# KiCad board panel.kicad_pcb (continued)
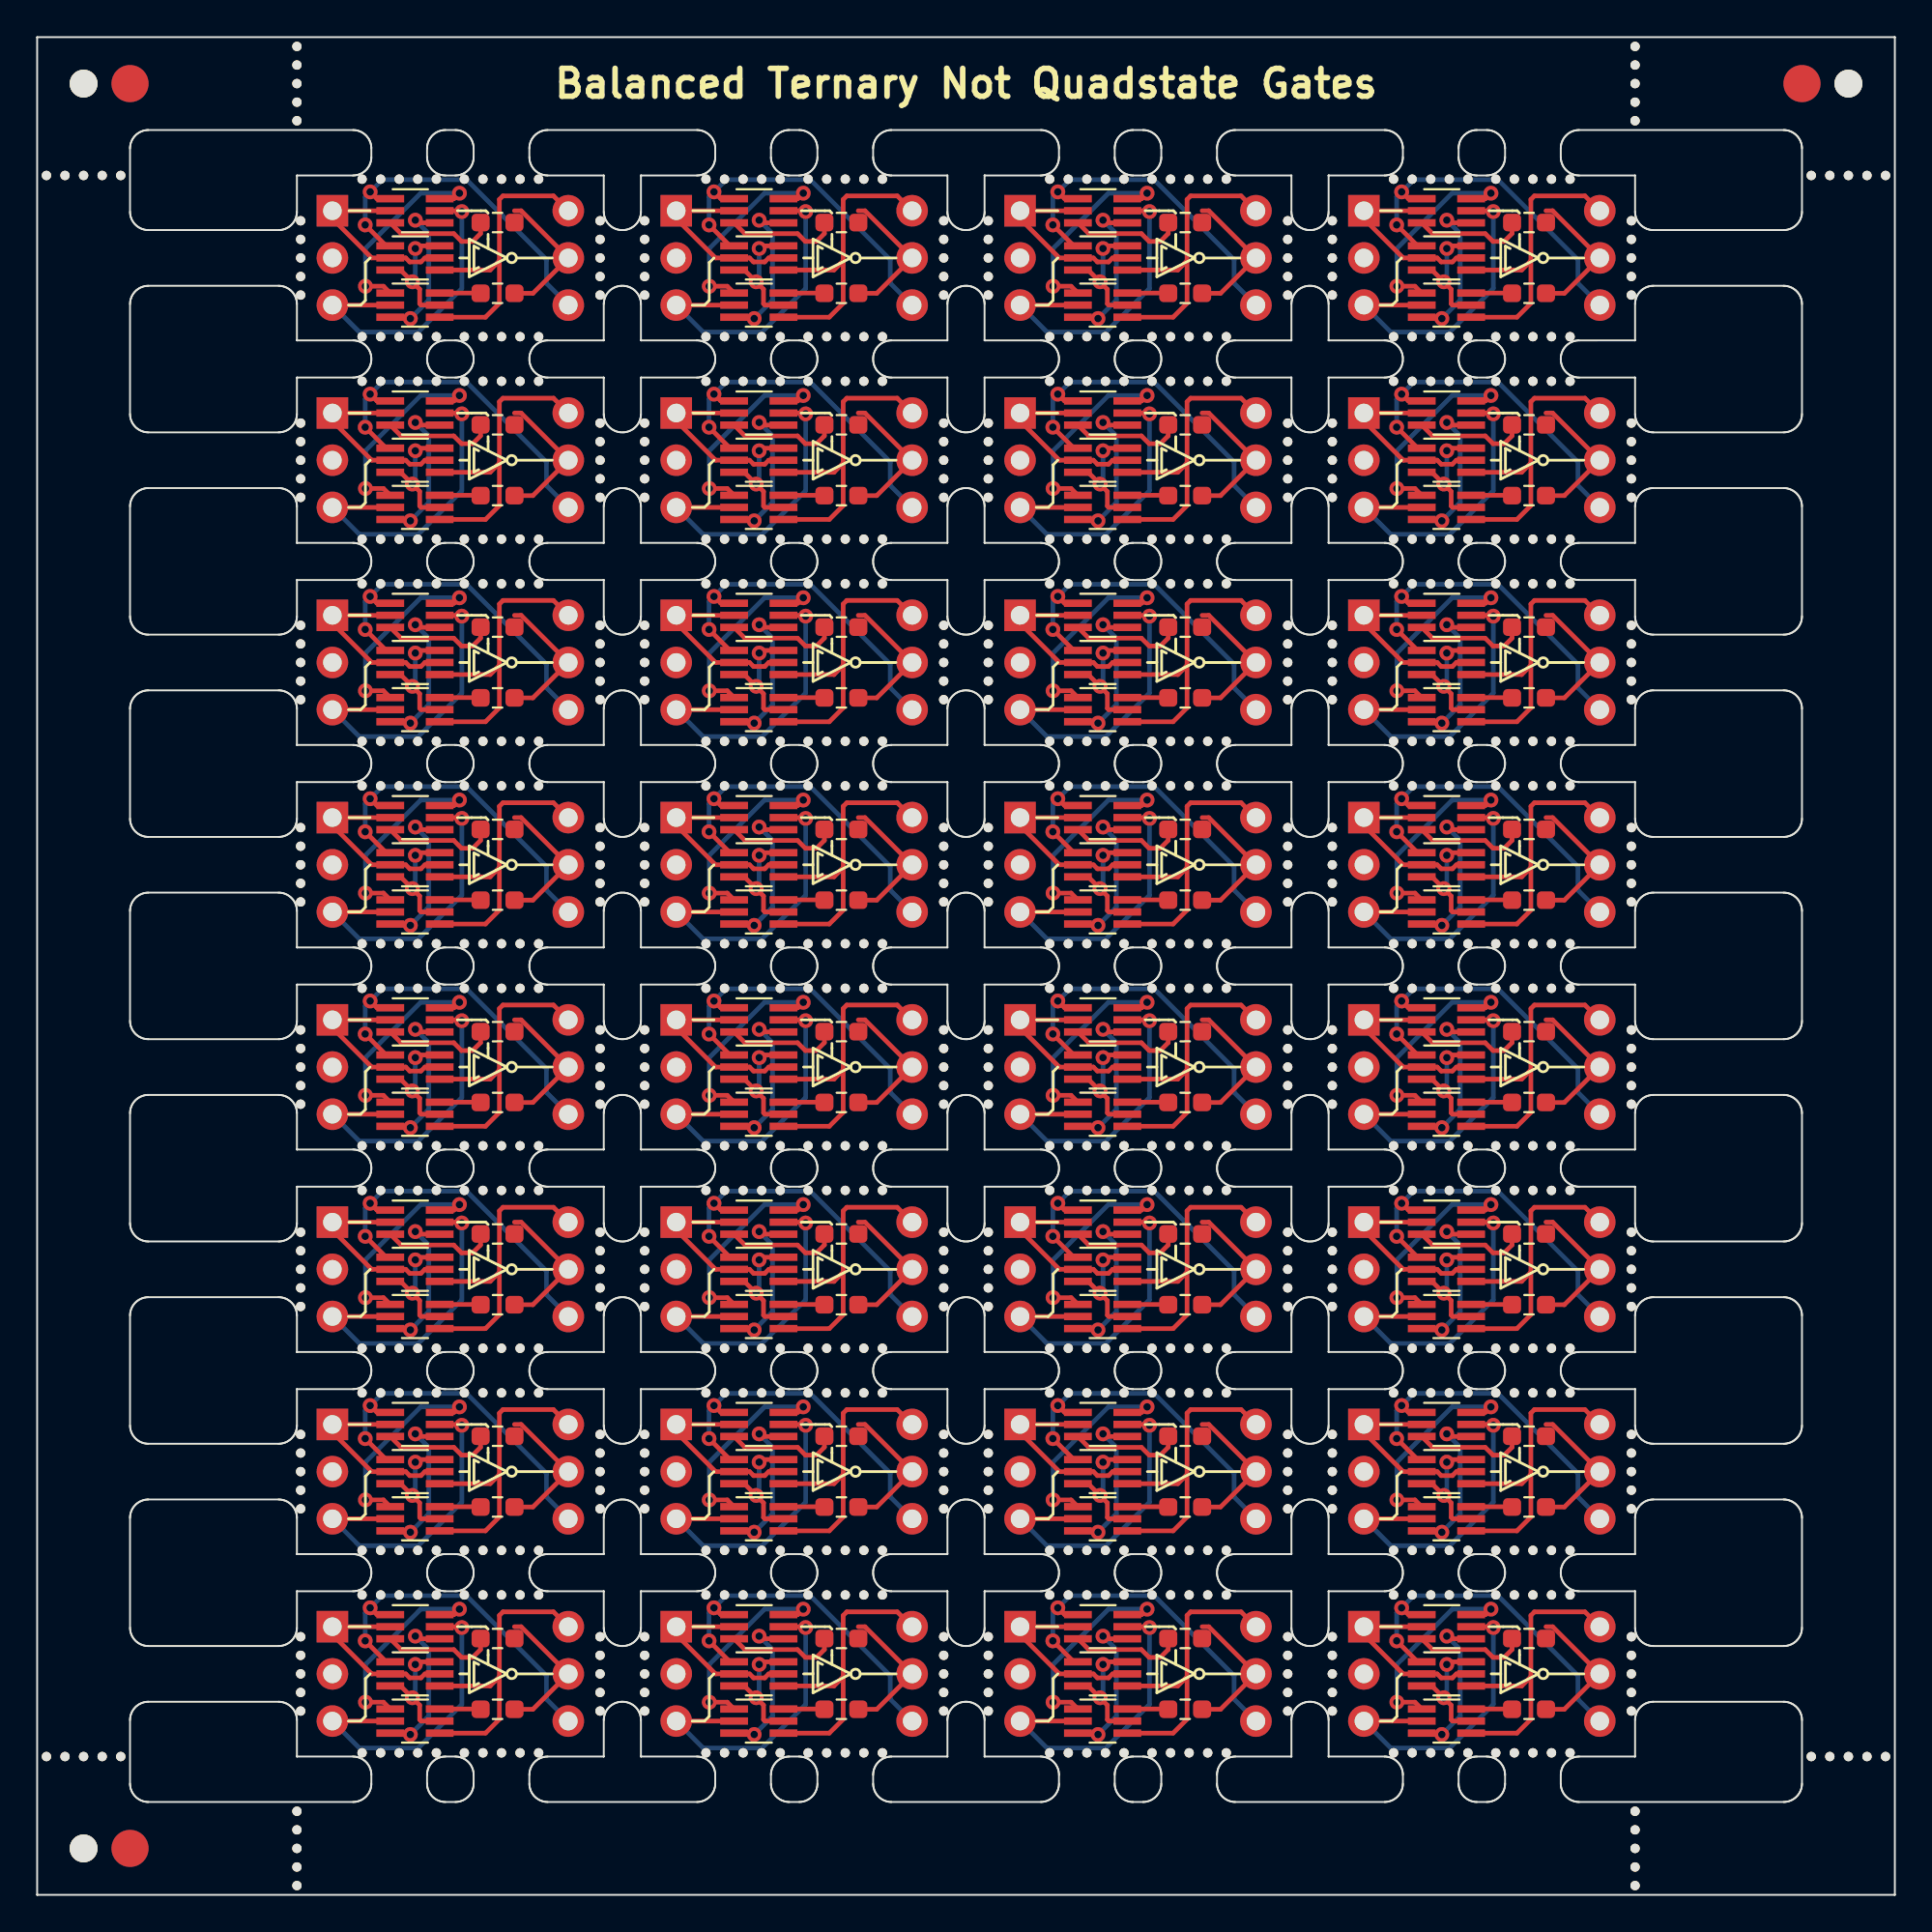
[diagram p0: board, top side]
## Routing (per net, layer and track width the routed paths; a pad name or vN(x,y) marks a point on that pad's centre or on a via; arc(x,y) is an arc through that point) (continued)
Board_17-Net-(Q3-Pad3): length 6
  Top w0.25: R1#24.1 42.38,45.88 41.96,45.45 41.36,45.45 40.94,45.87 38.1,45.87 Q3#6.3
Board_17-Out: length 7.6
  Top w0.25: 44.21,47.11 44.56,47.11 J2#31.2 45.2,42.66 R2#16.1
Board_17-VDD: length 16.7
  Top w0.25: 43.4,44.41 43.4,42.13 42.65,41.38 Q2#31.4 ; 43.4,44.41 42.9,43.92 Q1#31.4 ; 43.4,44.41 43.4,47.71 43.59,47.91 46.3,47.91 J2#31.1
Board_17-VSS: length 19.4
  Top w0.25: v1(36.17,46.34) 37.3,45.22 Q1#31.1 ; v1(36.44,48.12) 36.8,47.76 Q3#6.1
  Bottom w0.25: J2#31.3 45.93,43.2 45.93,44.47 41.63,48.78 37.09,48.78 v1(36.44,48.12) 36.17,47.86 v1(36.17,46.34)
Board_18-Gate: length 10.4
  Top w0.25: Q1#27.5 57.9,44.57 57.68,44.35 57.08,44.35 56.86,44.57 Q1#27.2 55.03,44.57 52.92,46.68 J1#30.1 Q3.2
Board_18-In: length 17
  Top w0.25: v1(59.88,47.06) 59.84,47.11 Q3.5 ; Q2#18.2 J1#30.3
  Bottom w0.25: v1(59.88,47.06) 59.88,42.92 57.54,40.58 54.36,40.58 J1#30.3
Board_18-Net-(Q1-Pad3): length 7.1
  Top w0.25: Q2#18.5 57.69,42.03 57.61,42.1 57.61,42.88 56.58,43.92 Q1#27.3 ; Q1#27.6 57.52,45.22 v1(57.38,45.07)
  Bottom w0.25: v1(57.38,45.07) 57.38,43.44 v1(57.22,43.28)
Board_18-Net-(Q2-Pad1): length 11
  Top w0.25: v1(59.75,48.05) 59.46,47.76 Q3.6 ; Q2#18.1 55.66,43.04 v1(54.69,43.04)
  Bottom w0.25: v1(54.69,43.04) 54.69,45.07 57.67,48.05 v1(59.75,48.05)
Board_18-Net-(Q2-Pad3): length 8.5
  Top w0.25: Q3.4 57.52,46.46 v1(57.38,46.6) ; v1(57.11,41.3) 57.04,41.38 Q2#18.3
  Bottom w0.25: v1(57.11,41.3) 58.1,42.29 58.1,45.87 v1(57.38,46.6)
Board_18-Net-(Q2-Pad6): length 2.2
  Top w0.25: Q2#18.6 60.88,42.68 R2#28.2
Board_18-Net-(Q3-Pad3): length 6
  Top w0.25: Q3.3 56.61,45.87 59.45,45.87 59.87,45.45 60.47,45.45 60.89,45.88 R1#12.1
Board_18-Out: length 7.6
  Top w0.25: R2#28.1 63.71,42.66 J2#11.2 63.08,47.11 62.72,47.11
Board_18-VDD: length 16.7
  Top w0.25: Q1#27.4 61.41,43.92 61.91,44.41 ; Q2#18.4 61.16,41.38 61.91,42.13 61.91,44.41 ; 61.91,44.41 61.91,47.71 62.1,47.91 64.81,47.91 J2#11.1
Board_18-VSS: length 19.4
  Top w0.25: v1(54.95,48.12) 55.31,47.76 Q3.1 ; v1(54.68,46.34) 55.81,45.22 Q1#27.1
  Bottom w0.25: v1(54.68,46.34) 54.68,47.86 v1(54.95,48.12) 55.6,48.78 60.14,48.78 64.44,44.47 64.44,43.2 J2#11.3
Board_19-Gate: length 10.4
  Top w0.25: Q3#21.2 J1#13.1 71.42,46.68 73.54,44.57 Q1#24.2 75.37,44.57 75.59,44.35 76.19,44.35 76.41,44.57 Q1#24.5
Board_19-In: length 17
  Top w0.25: Q3#21.5 78.35,47.11 v1(78.39,47.06) ; Q2#26.2 J1#13.3
  Bottom w0.25: v1(78.39,47.06) 78.39,42.92 76.05,40.58 72.87,40.58 J1#13.3
Board_19-Net-(Q1-Pad3): length 7.1
  Top w0.25: v1(75.89,45.07) 76.03,45.22 Q1#24.6 ; Q1#24.3 75.09,43.92 76.12,42.88 76.12,42.1 76.2,42.03 Q2#26.5
  Bottom w0.25: v1(75.73,43.28) 75.89,43.44 v1(75.89,45.07)
Board_19-Net-(Q2-Pad1): length 11
  Top w0.25: v1(78.26,48.05) 77.97,47.76 Q3#21.6 ; Q2#26.1 74.17,43.04 v1(73.2,43.04)
  Bottom w0.25: v1(78.26,48.05) 76.18,48.05 73.2,45.07 v1(73.2,43.04)
Board_19-Net-(Q2-Pad3): length 8.5
  Top w0.25: v1(75.62,41.3) 75.55,41.38 Q2#26.3 ; v1(75.89,46.6) 76.03,46.46 Q3#21.4
  Bottom w0.25: v1(75.89,46.6) 76.61,45.87 76.61,42.29 v1(75.62,41.3)
Board_19-Net-(Q2-Pad6): length 2.2
  Top w0.25: R2#5.2 79.39,42.68 Q2#26.6
Board_19-Net-(Q3-Pad3): length 6
  Top w0.25: Q3#21.3 75.12,45.87 77.96,45.87 78.38,45.45 78.98,45.45 79.4,45.88 R1#5.1
Board_19-Out: length 7.6
  Top w0.25: R2#5.1 82.22,42.66 J2#2.2 81.58,47.11 81.23,47.11
Board_19-VDD: length 16.7
  Top w0.25: Q2#26.4 79.67,41.38 80.42,42.13 80.42,44.41 ; 80.42,44.41 79.92,43.92 Q1#24.4 ; 80.42,44.41 80.42,47.71 80.61,47.91 83.33,47.91 J2#2.1
Board_19-VSS: length 19.4
  Top w0.25: Q1#24.1 74.32,45.22 v1(73.19,46.34) ; v1(73.46,48.12) 73.82,47.76 Q3#21.1
  Bottom w0.25: J2#2.3 82.95,43.2 82.95,44.47 78.65,48.78 74.11,48.78 v1(73.46,48.12) 73.19,47.86 v1(73.19,46.34)
Board_20-Gate: length 10.4
  Top w0.25: Q3#17.2 J1#10.1 15.89,35.79 18.01,33.68 Q1.2 19.84,33.68 20.06,33.46 20.66,33.46 20.88,33.68 Q1.5
Board_20-In: length 17
  Top w0.25: v1(22.86,36.17) 22.82,36.22 Q3#17.5 ; Q2#25.2 J1#10.3
  Bottom w0.25: v1(22.86,36.17) 22.86,32.03 20.52,29.69 17.34,29.69 J1#10.3
Board_20-Net-(Q1-Pad3): length 7.1
  Top w0.25: v1(20.36,34.18) 20.5,34.33 Q1.6 ; Q2#25.5 20.67,31.14 20.59,31.21 20.59,31.99 19.56,33.03 Q1.3
  Bottom w0.25: v1(20.36,34.18) 20.36,32.55 v1(20.2,32.39)
Board_20-Net-(Q2-Pad1): length 11
  Top w0.25: v1(22.73,37.16) 22.44,36.87 Q3#17.6 ; v1(17.67,32.15) 18.64,32.15 Q2#25.1
  Bottom w0.25: v1(17.67,32.15) 17.67,34.18 20.65,37.16 v1(22.73,37.16)
Board_20-Net-(Q2-Pad3): length 8.5
  Top w0.25: v1(20.36,35.71) 20.5,35.57 Q3#17.4 ; v1(20.09,30.41) 20.02,30.49 Q2#25.3
  Bottom w0.25: v1(20.36,35.71) 21.08,34.98 21.08,31.4 v1(20.09,30.41)
Board_20-Net-(Q2-Pad6): length 2.2
  Top w0.25: Q2#25.6 23.86,31.79 R2#18.2
Board_20-Net-(Q3-Pad3): length 6
  Top w0.25: R1#32.1 23.87,34.99 23.45,34.56 22.85,34.56 22.43,34.98 19.59,34.98 Q3#17.3
Board_20-Out: length 7.6
  Top w0.25: R2#18.1 26.69,31.77 J2#23.2 26.05,36.22 25.7,36.22
Board_20-VDD: length 16.7
  Top w0.25: 24.88,33.52 24.88,36.82 25.08,37.02 27.8,37.02 J2#23.1 ; 24.88,33.52 24.88,31.24 24.13,30.49 Q2#25.4 ; 24.88,33.52 24.39,33.03 Q1.4
Board_20-VSS: length 19.4
  Top w0.25: v1(17.93,37.23) 18.29,36.87 Q3#17.1 ; v1(17.66,35.45) 18.79,34.33 Q1.1
  Bottom w0.25: v1(17.66,35.45) 17.66,36.97 v1(17.93,37.23) 18.58,37.89 23.12,37.89 27.42,33.58 27.42,32.31 J2#23.3
Board_21-Gate: length 10.4
  Top w0.25: Q3#4.2 J1#6.1 34.41,35.79 36.52,33.68 Q1#15.2 38.35,33.68 38.57,33.46 39.17,33.46 39.39,33.68 Q1#15.5
Board_21-In: length 17
  Top w0.25: v1(41.37,36.17) 41.33,36.22 Q3#4.5 ; Q2#2.2 J1#6.3
  Bottom w0.25: v1(41.37,36.17) 41.37,32.03 39.03,29.69 35.85,29.69 J1#6.3
Board_21-Net-(Q1-Pad3): length 7.1
  Top w0.25: Q2#2.5 39.18,31.14 39.1,31.21 39.1,31.99 38.07,33.03 Q1#15.3 ; v1(38.87,34.18) 39.01,34.33 Q1#15.6
  Bottom w0.25: v1(38.87,34.18) 38.87,32.55 v1(38.71,32.39)
Board_21-Net-(Q2-Pad1): length 11
  Top w0.25: v1(36.18,32.15) 37.15,32.15 Q2#2.1 ; v1(41.24,37.16) 40.95,36.87 Q3#4.6
  Bottom w0.25: v1(36.18,32.15) 36.18,34.18 39.16,37.16 v1(41.24,37.16)
Board_21-Net-(Q2-Pad3): length 8.5
  Top w0.25: Q3#4.4 39.01,35.57 v1(38.87,35.71) ; Q2#2.3 38.53,30.49 v1(38.6,30.41)
  Bottom w0.25: v1(38.6,30.41) 39.59,31.4 39.59,34.98 v1(38.87,35.71)
Board_21-Net-(Q2-Pad6): length 2.2
  Top w0.25: Q2#2.6 42.37,31.79 R2.2
Board_21-Net-(Q3-Pad3): length 6
  Top w0.25: R1#30.1 42.38,34.99 41.96,34.56 41.36,34.56 40.94,34.98 38.1,34.98 Q3#4.3
Board_21-Out: length 7.6
  Top w0.25: 44.21,36.22 44.56,36.22 J2#18.2 45.2,31.77 R2.1
Board_21-VDD: length 16.7
  Top w0.25: 43.4,33.52 42.9,33.03 Q1#15.4 ; 43.4,33.52 43.4,36.82 43.59,37.02 46.3,37.02 J2#18.1 ; 43.4,33.52 43.4,31.24 42.65,30.49 Q2#2.4
Board_21-VSS: length 19.4
  Top w0.25: Q3#4.1 36.8,36.87 v1(36.44,37.23) ; v1(36.17,35.45) 37.3,34.33 Q1#15.1
  Bottom w0.25: v1(36.17,35.45) 36.17,36.97 v1(36.44,37.23) 37.09,37.89 41.63,37.89 45.93,33.58 45.93,32.31 J2#18.3
Board_22-Gate: length 10.4
  Top w0.25: Q3#28.2 J1#7.1 52.92,35.79 55.03,33.68 Q1#2.2 56.86,33.68 57.08,33.46 57.68,33.46 57.9,33.68 Q1#2.5
Board_22-In: length 17
  Top w0.25: Q3#28.5 59.84,36.22 v1(59.88,36.17) ; Q2#32.2 J1#7.3
  Bottom w0.25: v1(59.88,36.17) 59.88,32.03 57.54,29.69 54.36,29.69 J1#7.3
Board_22-Net-(Q1-Pad3): length 7.1
  Top w0.25: Q2#32.5 57.69,31.14 57.61,31.21 57.61,31.99 56.58,33.03 Q1#2.3 ; Q1#2.6 57.52,34.33 v1(57.38,34.18)
  Bottom w0.25: v1(57.22,32.39) 57.38,32.55 v1(57.38,34.18)
Board_22-Net-(Q2-Pad1): length 11
  Top w0.25: v1(59.75,37.16) 59.46,36.87 Q3#28.6 ; v1(54.69,32.15) 55.66,32.15 Q2#32.1
  Bottom w0.25: v1(54.69,32.15) 54.69,34.18 57.67,37.16 v1(59.75,37.16)
Board_22-Net-(Q2-Pad3): length 8.5
  Top w0.25: v1(57.11,30.41) 57.04,30.49 Q2#32.3 ; v1(57.38,35.71) 57.52,35.57 Q3#28.4
  Bottom w0.25: v1(57.11,30.41) 58.1,31.4 58.1,34.98 v1(57.38,35.71)
Board_22-Net-(Q2-Pad6): length 2.2
  Top w0.25: Q2#32.6 60.88,31.79 R2#19.2
Board_22-Net-(Q3-Pad3): length 6
  Top w0.25: Q3#28.3 56.61,34.98 59.45,34.98 59.87,34.56 60.47,34.56 60.89,34.99 R1#3.1
Board_22-Out: length 7.6
  Top w0.25: 62.72,36.22 63.08,36.22 J2#13.2 63.71,31.77 R2#19.1
Board_22-VDD: length 16.7
  Top w0.25: 61.91,33.52 61.41,33.03 Q1#2.4 ; 61.91,33.52 61.91,31.24 61.16,30.49 Q2#32.4 ; 61.91,33.52 61.91,36.82 62.1,37.02 64.81,37.02 J2#13.1
Board_22-VSS: length 19.4
  Top w0.25: Q3#28.1 55.31,36.87 v1(54.95,37.23) ; v1(54.68,35.45) 55.81,34.33 Q1#2.1
  Bottom w0.25: J2#13.3 64.44,32.31 64.44,33.58 60.14,37.89 55.6,37.89 v1(54.95,37.23) 54.68,36.97 v1(54.68,35.45)
Board_23-Gate: length 10.4
  Top w0.25: Q1#3.5 76.41,33.68 76.19,33.46 75.59,33.46 75.37,33.68 Q1#3.2 73.54,33.68 71.42,35.79 J1#27.1 Q3#16.2
Board_23-In: length 17
  Top w0.25: v1(78.39,36.17) 78.35,36.22 Q3#16.5 ; Q2#24.2 J1#27.3
  Bottom w0.25: J1#27.3 72.87,29.69 76.05,29.69 78.39,32.03 v1(78.39,36.17)
Board_23-Net-(Q1-Pad3): length 7.1
  Top w0.25: Q1#3.3 75.09,33.03 76.12,31.99 76.12,31.21 76.2,31.14 Q2#24.5 ; v1(75.89,34.18) 76.03,34.33 Q1#3.6
  Bottom w0.25: v1(75.73,32.39) 75.89,32.55 v1(75.89,34.18)
Board_23-Net-(Q2-Pad1): length 11
  Top w0.25: v1(78.26,37.16) 77.97,36.87 Q3#16.6 ; v1(73.2,32.15) 74.17,32.15 Q2#24.1
  Bottom w0.25: v1(73.2,32.15) 73.2,34.18 76.18,37.16 v1(78.26,37.16)
Board_23-Net-(Q2-Pad3): length 8.5
  Top w0.25: v1(75.62,30.41) 75.55,30.49 Q2#24.3 ; v1(75.89,35.71) 76.03,35.57 Q3#16.4
  Bottom w0.25: v1(75.89,35.71) 76.61,34.98 76.61,31.4 v1(75.62,30.41)
Board_23-Net-(Q2-Pad6): length 2.2
  Top w0.25: Q2#24.6 79.39,31.79 R2#3.2
Board_23-Net-(Q3-Pad3): length 6
  Top w0.25: Q3#16.3 75.12,34.98 77.96,34.98 78.38,34.56 78.98,34.56 79.4,34.99 R1#11.1
Board_23-Out: length 7.6
  Top w0.25: 81.23,36.22 81.58,36.22 J2#9.2 82.22,31.77 R2#3.1
Board_23-VDD: length 16.7
  Top w0.25: J2#9.1 83.33,37.02 80.61,37.02 80.42,36.82 80.42,33.52 ; 80.42,33.52 79.92,33.03 Q1#3.4 ; 80.42,33.52 80.42,31.24 79.67,30.49 Q2#24.4
Board_23-VSS: length 19.4
  Top w0.25: v1(73.19,35.45) 74.32,34.33 Q1#3.1 ; Q3#16.1 73.82,36.87 v1(73.46,37.23)
  Bottom w0.25: v1(73.19,35.45) 73.19,36.97 v1(73.46,37.23) 74.11,37.89 78.65,37.89 82.95,33.58 82.95,32.31 J2#9.3
Board_24-Gate: length 10.4
  Top w0.25: Q3#2.2 J1#28.1 15.89,24.9 18.01,22.79 Q1#7.2 19.84,22.79 20.06,22.57 20.66,22.57 20.88,22.79 Q1#7.5
Board_24-In: length 17
  Top w0.25: Q2#29.2 J1#28.3 ; Q3#2.5 22.82,25.33 v1(22.86,25.28)
  Bottom w0.25: J1#28.3 17.34,18.8 20.52,18.8 22.86,21.14 v1(22.86,25.28)
Board_24-Net-(Q1-Pad3): length 7.1
  Top w0.25: Q1#7.3 19.56,22.14 20.59,21.1 20.59,20.32 20.67,20.25 Q2#29.5 ; Q1#7.6 20.5,23.44 v1(20.36,23.29)
  Bottom w0.25: v1(20.2,21.5) 20.36,21.66 v1(20.36,23.29)
Board_24-Net-(Q2-Pad1): length 11
  Top w0.25: Q3#2.6 22.44,25.98 v1(22.73,26.27) ; v1(17.67,21.26) 18.64,21.26 Q2#29.1
  Bottom w0.25: v1(22.73,26.27) 20.65,26.27 17.67,23.29 v1(17.67,21.26)
Board_24-Net-(Q2-Pad3): length 8.5
  Top w0.25: Q2#29.3 20.02,19.6 v1(20.09,19.52) ; Q3#2.4 20.5,24.68 v1(20.36,24.82)
  Bottom w0.25: v1(20.36,24.82) 21.08,24.09 21.08,20.51 v1(20.09,19.52)
Board_24-Net-(Q2-Pad6): length 2.2
  Top w0.25: R2#13.2 23.86,20.9 Q2#29.6
Board_24-Net-(Q3-Pad3): length 6
  Top w0.25: Q3#2.3 19.59,24.09 22.43,24.09 22.85,23.67 23.45,23.67 23.87,24.1 R1#31.1
Board_24-Out: length 7.6
  Top w0.25: R2#13.1 26.69,20.88 J2#30.2 26.05,25.33 25.7,25.33
Board_24-VDD: length 16.7
  Top w0.25: J2#30.1 27.8,26.13 25.08,26.13 24.88,25.93 24.88,22.63 ; Q1#7.4 24.39,22.14 24.88,22.63 ; 24.88,22.63 24.88,20.35 24.13,19.6 Q2#29.4
Board_24-VSS: length 19.4
  Top w0.25: Q3#2.1 18.29,25.98 v1(17.93,26.34) ; v1(17.66,24.56) 18.79,23.44 Q1#7.1
  Bottom w0.25: v1(17.66,24.56) 17.66,26.08 v1(17.93,26.34) 18.58,27 23.12,27 27.42,22.69 27.42,21.42 J2#30.3
Board_25-Gate: length 10.4
  Top w0.25: Q1#22.5 39.39,22.79 39.17,22.57 38.57,22.57 38.35,22.79 Q1#22.2 36.52,22.79 34.41,24.9 J1#11.1 Q3#14.2
Board_25-In: length 17
  Top w0.25: Q3#14.5 41.33,25.33 v1(41.37,25.28) ; Q2#17.2 J1#11.3
  Bottom w0.25: J1#11.3 35.85,18.8 39.03,18.8 41.37,21.14 v1(41.37,25.28)
Board_25-Net-(Q1-Pad3): length 7.1
  Top w0.25: Q1#22.3 38.07,22.14 39.1,21.1 39.1,20.32 39.18,20.25 Q2#17.5 ; v1(38.87,23.29) 39.01,23.44 Q1#22.6
  Bottom w0.25: v1(38.71,21.5) 38.87,21.66 v1(38.87,23.29)
Board_25-Net-(Q2-Pad1): length 11
  Top w0.25: v1(41.24,26.27) 40.95,25.98 Q3#14.6 ; v1(36.18,21.26) 37.15,21.26 Q2#17.1
  Bottom w0.25: v1(41.24,26.27) 39.16,26.27 36.18,23.29 v1(36.18,21.26)
Board_25-Net-(Q2-Pad3): length 8.5
  Top w0.25: Q2#17.3 38.53,19.6 v1(38.6,19.52) ; Q3#14.4 39.01,24.68 v1(38.87,24.82)
  Bottom w0.25: v1(38.87,24.82) 39.59,24.09 39.59,20.51 v1(38.6,19.52)
Board_25-Net-(Q2-Pad6): length 2.2
  Top w0.25: R2#10.2 42.37,20.9 Q2#17.6
Board_25-Net-(Q3-Pad3): length 6
  Top w0.25: R1#10.1 42.38,24.1 41.96,23.67 41.36,23.67 40.94,24.09 38.1,24.09 Q3#14.3
Board_25-Out: length 7.6
  Top w0.25: 44.21,25.33 44.56,25.33 J2#8.2 45.2,20.88 R2#10.1
Board_25-VDD: length 16.7
  Top w0.25: 43.4,22.63 43.4,20.35 42.65,19.6 Q2#17.4 ; 43.4,22.63 43.4,25.93 43.59,26.13 46.3,26.13 J2#8.1 ; 43.4,22.63 42.9,22.14 Q1#22.4
Board_25-VSS: length 19.4
  Top w0.25: Q3#14.1 36.8,25.98 v1(36.44,26.34) ; v1(36.17,24.56) 37.3,23.44 Q1#22.1
  Bottom w0.25: v1(36.17,24.56) 36.17,26.08 v1(36.44,26.34) 37.09,27 41.63,27 45.93,22.69 45.93,21.42 J2#8.3
Board_26-Gate: length 10.4
  Top w0.25: Q3#15.2 J1#29.1 52.92,24.9 55.03,22.79 Q1#14.2 56.86,22.79 57.08,22.57 57.68,22.57 57.9,22.79 Q1#14.5
Board_26-In: length 17
  Top w0.25: Q2#30.2 J1#29.3 ; Q3#15.5 59.84,25.33 v1(59.88,25.28)
  Bottom w0.25: v1(59.88,25.28) 59.88,21.14 57.54,18.8 54.36,18.8 J1#29.3
Board_26-Net-(Q1-Pad3): length 7.1
  Top w0.25: v1(57.38,23.29) 57.52,23.44 Q1#14.6 ; Q2#30.5 57.69,20.25 57.61,20.32 57.61,21.1 56.58,22.14 Q1#14.3
  Bottom w0.25: v1(57.38,23.29) 57.38,21.66 v1(57.22,21.5)
Board_26-Net-(Q2-Pad1): length 11
  Top w0.25: Q3#15.6 59.46,25.98 v1(59.75,26.27) ; Q2#30.1 55.66,21.26 v1(54.69,21.26)
  Bottom w0.25: v1(59.75,26.27) 57.67,26.27 54.69,23.29 v1(54.69,21.26)
Board_26-Net-(Q2-Pad3): length 8.5
  Top w0.25: Q3#15.4 57.52,24.68 v1(57.38,24.82) ; Q2#30.3 57.04,19.6 v1(57.11,19.52)
  Bottom w0.25: v1(57.11,19.52) 58.1,20.51 58.1,24.09 v1(57.38,24.82)
Board_26-Net-(Q2-Pad6): length 2.2
  Top w0.25: R2#14.2 60.88,20.9 Q2#30.6
Board_26-Net-(Q3-Pad3): length 6
  Top w0.25: R1#20.1 60.89,24.1 60.47,23.67 59.87,23.67 59.45,24.09 56.61,24.09 Q3#15.3
Board_26-Out: length 7.6
  Top w0.25: R2#14.1 63.71,20.88 J2#15.2 63.08,25.33 62.72,25.33
Board_26-VDD: length 16.7
  Top w0.25: 61.91,22.63 61.91,20.35 61.16,19.6 Q2#30.4 ; 61.91,22.63 61.41,22.14 Q1#14.4 ; 61.91,22.63 61.91,25.93 62.1,26.13 64.81,26.13 J2#15.1
Board_26-VSS: length 19.4
  Top w0.25: v1(54.68,24.56) 55.81,23.44 Q1#14.1 ; Q3#15.1 55.31,25.98 v1(54.95,26.34)
  Bottom w0.25: J2#15.3 64.44,21.42 64.44,22.69 60.14,27 55.6,27 v1(54.95,26.34) 54.68,26.08 v1(54.68,24.56)
Board_27-Gate: length 10.4
  Top w0.25: Q1#8.5 76.41,22.79 76.19,22.57 75.59,22.57 75.37,22.79 Q1#8.2 73.54,22.79 71.42,24.9 J1#24.1 Q3#19.2
Board_27-In: length 17
  Top w0.25: v1(78.39,25.28) 78.35,25.33 Q3#19.5 ; Q2#15.2 J1#24.3
  Bottom w0.25: v1(78.39,25.28) 78.39,21.14 76.05,18.8 72.87,18.8 J1#24.3
Board_27-Net-(Q1-Pad3): length 7.1
  Top w0.25: Q2#15.5 76.2,20.25 76.12,20.32 76.12,21.1 75.09,22.14 Q1#8.3 ; v1(75.89,23.29) 76.03,23.44 Q1#8.6
  Bottom w0.25: v1(75.73,21.5) 75.89,21.66 v1(75.89,23.29)
Board_27-Net-(Q2-Pad1): length 11
  Top w0.25: Q2#15.1 74.17,21.26 v1(73.2,21.26) ; v1(78.26,26.27) 77.97,25.98 Q3#19.6
  Bottom w0.25: v1(73.2,21.26) 73.2,23.29 76.18,26.27 v1(78.26,26.27)
Board_27-Net-(Q2-Pad3): length 8.5
  Top w0.25: v1(75.89,24.82) 76.03,24.68 Q3#19.4 ; Q2#15.3 75.55,19.6 v1(75.62,19.52)
  Bottom w0.25: v1(75.89,24.82) 76.61,24.09 76.61,20.51 v1(75.62,19.52)
Board_27-Net-(Q2-Pad6): length 2.2
  Top w0.25: Q2#15.6 79.39,20.9 R2#15.2
Board_27-Net-(Q3-Pad3): length 6
  Top w0.25: Q3#19.3 75.12,24.09 77.96,24.09 78.38,23.67 78.98,23.67 79.4,24.1 R1#14.1
Board_27-Out: length 7.6
  Top w0.25: 81.23,25.33 81.58,25.33 J2#32.2 82.22,20.88 R2#15.1
Board_27-VDD: length 16.7
  Top w0.25: 80.42,22.63 80.42,20.35 79.67,19.6 Q2#15.4 ; 80.42,22.63 79.92,22.14 Q1#8.4 ; 80.42,22.63 80.42,25.93 80.61,26.13 83.33,26.13 J2#32.1
Board_27-VSS: length 19.4
  Top w0.25: Q3#19.1 73.82,25.98 v1(73.46,26.34) ; Q1#8.1 74.32,23.44 v1(73.19,24.56)
  Bottom w0.25: J2#32.3 82.95,21.42 82.95,22.69 78.65,27 74.11,27 v1(73.46,26.34) 73.19,26.08 v1(73.19,24.56)
Board_28-Gate: length 10.4
  Top w0.25: Q1#17.5 20.88,11.9 20.66,11.68 20.06,11.68 19.84,11.9 Q1#17.2 18.01,11.9 15.89,14.01 J1#2.1 Q3#13.2
Board_28-In: length 17
  Top w0.25: Q3#13.5 22.82,14.44 v1(22.86,14.39) ; Q2#13.2 J1#2.3
  Bottom w0.25: v1(22.86,14.39) 22.86,10.25 20.52,7.91 17.34,7.91 J1#2.3
Board_28-Net-(Q1-Pad3): length 7.1
  Top w0.25: Q1#17.6 20.5,12.55 v1(20.36,12.4) ; Q1#17.3 19.56,11.25 20.59,10.21 20.59,9.43 20.67,9.36 Q2#13.5
  Bottom w0.25: v1(20.36,12.4) 20.36,10.77 v1(20.2,10.61)
Board_28-Net-(Q2-Pad1): length 11
  Top w0.25: Q2#13.1 18.64,10.37 v1(17.67,10.37) ; v1(22.73,15.38) 22.44,15.09 Q3#13.6
  Bottom w0.25: v1(22.73,15.38) 20.65,15.38 17.67,12.4 v1(17.67,10.37)
Board_28-Net-(Q2-Pad3): length 8.5
  Top w0.25: Q3#13.4 20.5,13.79 v1(20.36,13.93) ; v1(20.09,8.63) 20.02,8.71 Q2#13.3
  Bottom w0.25: v1(20.09,8.63) 21.08,9.62 21.08,13.2 v1(20.36,13.93)
Board_28-Net-(Q2-Pad6): length 2.2
  Top w0.25: R2#12.2 23.86,10.01 Q2#13.6
Board_28-Net-(Q3-Pad3): length 6
  Top w0.25: R1#8.1 23.87,13.21 23.45,12.78 22.85,12.78 22.43,13.2 19.59,13.2 Q3#13.3
Board_28-Out: length 7.6
  Top w0.25: R2#12.1 26.69,9.99 J2#24.2 26.05,14.44 25.7,14.44
Board_28-VDD: length 16.7
  Top w0.25: J2#24.1 27.8,15.24 25.08,15.24 24.88,15.04 24.88,11.74 ; 24.88,11.74 24.88,9.46 24.13,8.71 Q2#13.4 ; 24.88,11.74 24.39,11.25 Q1#17.4
Board_28-VSS: length 19.4
  Top w0.25: Q3#13.1 18.29,15.09 v1(17.93,15.45) ; v1(17.66,13.67) 18.79,12.55 Q1#17.1
  Bottom w0.25: J2#24.3 27.42,10.53 27.42,11.8 23.12,16.11 18.58,16.11 v1(17.93,15.45) 17.66,15.19 v1(17.66,13.67)
Board_29-Gate: length 10.4
  Top w0.25: Q1#30.5 39.39,11.9 39.17,11.68 38.57,11.68 38.35,11.9 Q1#30.2 36.52,11.9 34.41,14.01 J1#12.1 Q3#25.2
Board_29-In: length 17
  Top w0.25: Q2#8.2 J1#12.3 ; v1(41.37,14.39) 41.33,14.44 Q3#25.5
  Bottom w0.25: J1#12.3 35.85,7.91 39.03,7.91 41.37,10.25 v1(41.37,14.39)
Board_29-Net-(Q1-Pad3): length 7.1
  Top w0.25: Q2#8.5 39.18,9.36 39.1,9.43 39.1,10.21 38.07,11.25 Q1#30.3 ; v1(38.87,12.4) 39.01,12.55 Q1#30.6
  Bottom w0.25: v1(38.87,12.4) 38.87,10.77 v1(38.71,10.61)
Board_29-Net-(Q2-Pad1): length 11
  Top w0.25: Q2#8.1 37.15,10.37 v1(36.18,10.37) ; Q3#25.6 40.95,15.09 v1(41.24,15.38)
  Bottom w0.25: v1(41.24,15.38) 39.16,15.38 36.18,12.4 v1(36.18,10.37)
Board_29-Net-(Q2-Pad3): length 8.5
  Top w0.25: Q3#25.4 39.01,13.79 v1(38.87,13.93) ; Q2#8.3 38.53,8.71 v1(38.6,8.63)
  Bottom w0.25: v1(38.87,13.93) 39.59,13.2 39.59,9.62 v1(38.6,8.63)
Board_29-Net-(Q2-Pad6): length 2.2
  Top w0.25: R2#26.2 42.37,10.01 Q2#8.6
Board_29-Net-(Q3-Pad3): length 6
  Top w0.25: Q3#25.3 38.1,13.2 40.94,13.2 41.36,12.78 41.96,12.78 42.38,13.21 R1#7.1
Board_29-Out: length 7.6
  Top w0.25: R2#26.1 45.2,9.99 J2#27.2 44.56,14.44 44.21,14.44
Board_29-VDD: length 16.7
  Top w0.25: Q2#8.4 42.65,8.71 43.4,9.46 43.4,11.74 ; 43.4,11.74 43.4,15.04 43.59,15.24 46.3,15.24 J2#27.1 ; 43.4,11.74 42.9,11.25 Q1#30.4
Board_29-VSS: length 19.4
  Top w0.25: Q1#30.1 37.3,12.55 v1(36.17,13.67) ; v1(36.44,15.45) 36.8,15.09 Q3#25.1
  Bottom w0.25: v1(36.17,13.67) 36.17,15.19 v1(36.44,15.45) 37.09,16.11 41.63,16.11 45.93,11.8 45.93,10.53 J2#27.3
Board_30-Gate: length 10.4
  Top w0.25: Q3#3.2 J1#3.1 52.92,14.01 55.03,11.9 Q1#10.2 56.86,11.9 57.08,11.68 57.68,11.68 57.9,11.9 Q1#10.5
Board_30-In: length 17
  Top w0.25: Q3#3.5 59.84,14.44 v1(59.88,14.39) ; Q2#7.2 J1#3.3
  Bottom w0.25: J1#3.3 54.36,7.91 57.54,7.91 59.88,10.25 v1(59.88,14.39)
Board_30-Net-(Q1-Pad3): length 7.1
  Top w0.25: Q2#7.5 57.69,9.36 57.61,9.43 57.61,10.21 56.58,11.25 Q1#10.3 ; Q1#10.6 57.52,12.55 v1(57.38,12.4)
  Bottom w0.25: v1(57.22,10.61) 57.38,10.77 v1(57.38,12.4)
Board_30-Net-(Q2-Pad1): length 11
  Top w0.25: Q3#3.6 59.46,15.09 v1(59.75,15.38) ; v1(54.69,10.37) 55.66,10.37 Q2#7.1
  Bottom w0.25: v1(59.75,15.38) 57.67,15.38 54.69,12.4 v1(54.69,10.37)
Board_30-Net-(Q2-Pad3): length 8.5
  Top w0.25: Q2#7.3 57.04,8.71 v1(57.11,8.63) ; v1(57.38,13.93) 57.52,13.79 Q3#3.4
  Bottom w0.25: v1(57.38,13.93) 58.1,13.2 58.1,9.62 v1(57.11,8.63)
Board_30-Net-(Q2-Pad6): length 2.2
  Top w0.25: R2#9.2 60.88,10.01 Q2#7.6
Board_30-Net-(Q3-Pad3): length 6
  Top w0.25: R1#19.1 60.89,13.21 60.47,12.78 59.87,12.78 59.45,13.2 56.61,13.2 Q3#3.3
Board_30-Out: length 7.6
  Top w0.25: R2#9.1 63.71,9.99 J2.2 63.08,14.44 62.72,14.44
Board_30-VDD: length 16.7
  Top w0.25: 61.91,11.74 61.91,9.46 61.16,8.71 Q2#7.4 ; 61.91,11.74 61.41,11.25 Q1#10.4 ; 61.91,11.74 61.91,15.04 62.1,15.24 64.81,15.24 J2.1
Board_30-VSS: length 19.4
  Top w0.25: Q3#3.1 55.31,15.09 v1(54.95,15.45) ; v1(54.68,13.67) 55.81,12.55 Q1#10.1
  Bottom w0.25: v1(54.68,13.67) 54.68,15.19 v1(54.95,15.45) 55.6,16.11 60.14,16.11 64.44,11.8 64.44,10.53 J2.3
Board_31-Gate: length 10.4
  Top w0.25: Q1#9.5 76.41,11.9 76.19,11.68 75.59,11.68 75.37,11.9 Q1#9.2 73.54,11.9 71.42,14.01 J1#14.1 Q3#26.2
Board_31-In: length 17
  Top w0.25: Q3#26.5 78.35,14.44 v1(78.39,14.39) ; Q2#6.2 J1#14.3
  Bottom w0.25: v1(78.39,14.39) 78.39,10.25 76.05,7.91 72.87,7.91 J1#14.3
Board_31-Net-(Q1-Pad3): length 7.1
  Top w0.25: Q1#9.3 75.09,11.25 76.12,10.21 76.12,9.43 76.2,9.36 Q2#6.5 ; v1(75.89,12.4) 76.03,12.55 Q1#9.6
  Bottom w0.25: v1(75.89,12.4) 75.89,10.77 v1(75.73,10.61)
Board_31-Net-(Q2-Pad1): length 11
  Top w0.25: Q3#26.6 77.97,15.09 v1(78.26,15.38) ; Q2#6.1 74.17,10.37 v1(73.2,10.37)
  Bottom w0.25: v1(73.2,10.37) 73.2,12.4 76.18,15.38 v1(78.26,15.38)
Board_31-Net-(Q2-Pad3): length 8.5
  Top w0.25: Q3#26.4 76.03,13.79 v1(75.89,13.93) ; v1(75.62,8.63) 75.55,8.71 Q2#6.3
  Bottom w0.25: v1(75.62,8.63) 76.61,9.62 76.61,13.2 v1(75.89,13.93)
Board_31-Net-(Q2-Pad6): length 2.2
  Top w0.25: R2#20.2 79.39,10.01 Q2#6.6
Board_31-Net-(Q3-Pad3): length 6
  Top w0.25: Q3#26.3 75.12,13.2 77.96,13.2 78.38,12.78 78.98,12.78 79.4,13.21 R1#23.1
Board_31-Out: length 7.6
  Top w0.25: 81.23,14.44 81.58,14.44 J2#20.2 82.22,9.99 R2#20.1
Board_31-VDD: length 16.7
  Top w0.25: 80.42,11.74 80.42,15.04 80.61,15.24 83.33,15.24 J2#20.1 ; 80.42,11.74 79.92,11.25 Q1#9.4 ; 80.42,11.74 80.42,9.46 79.67,8.71 Q2#6.4
Board_31-VSS: length 19.4
  Top w0.25: v1(73.46,15.45) 73.82,15.09 Q3#26.1 ; v1(73.19,13.67) 74.32,12.55 Q1#9.1
  Bottom w0.25: J2#20.3 82.95,10.53 82.95,11.8 78.65,16.11 74.11,16.11 v1(73.46,15.45) 73.19,15.19 v1(73.19,13.67)

## Text on the board
F.Silkscreen: Balanced Ternary Not Quadstate Gates
